# Altium PCB Sensor.PcbDoc (part 2 of 2)
Units mil, origin at the board's own origin, x right, y up, seen from the top; angles counter-clockwise.
Board outline 9449.35 x 6496.59 mil, 4 copper layers (Top Layer, GND, POWER, Bottom Layer), stack 30.634 mil thick; 169 components, 156 nets, 755 pads, 299 vias.
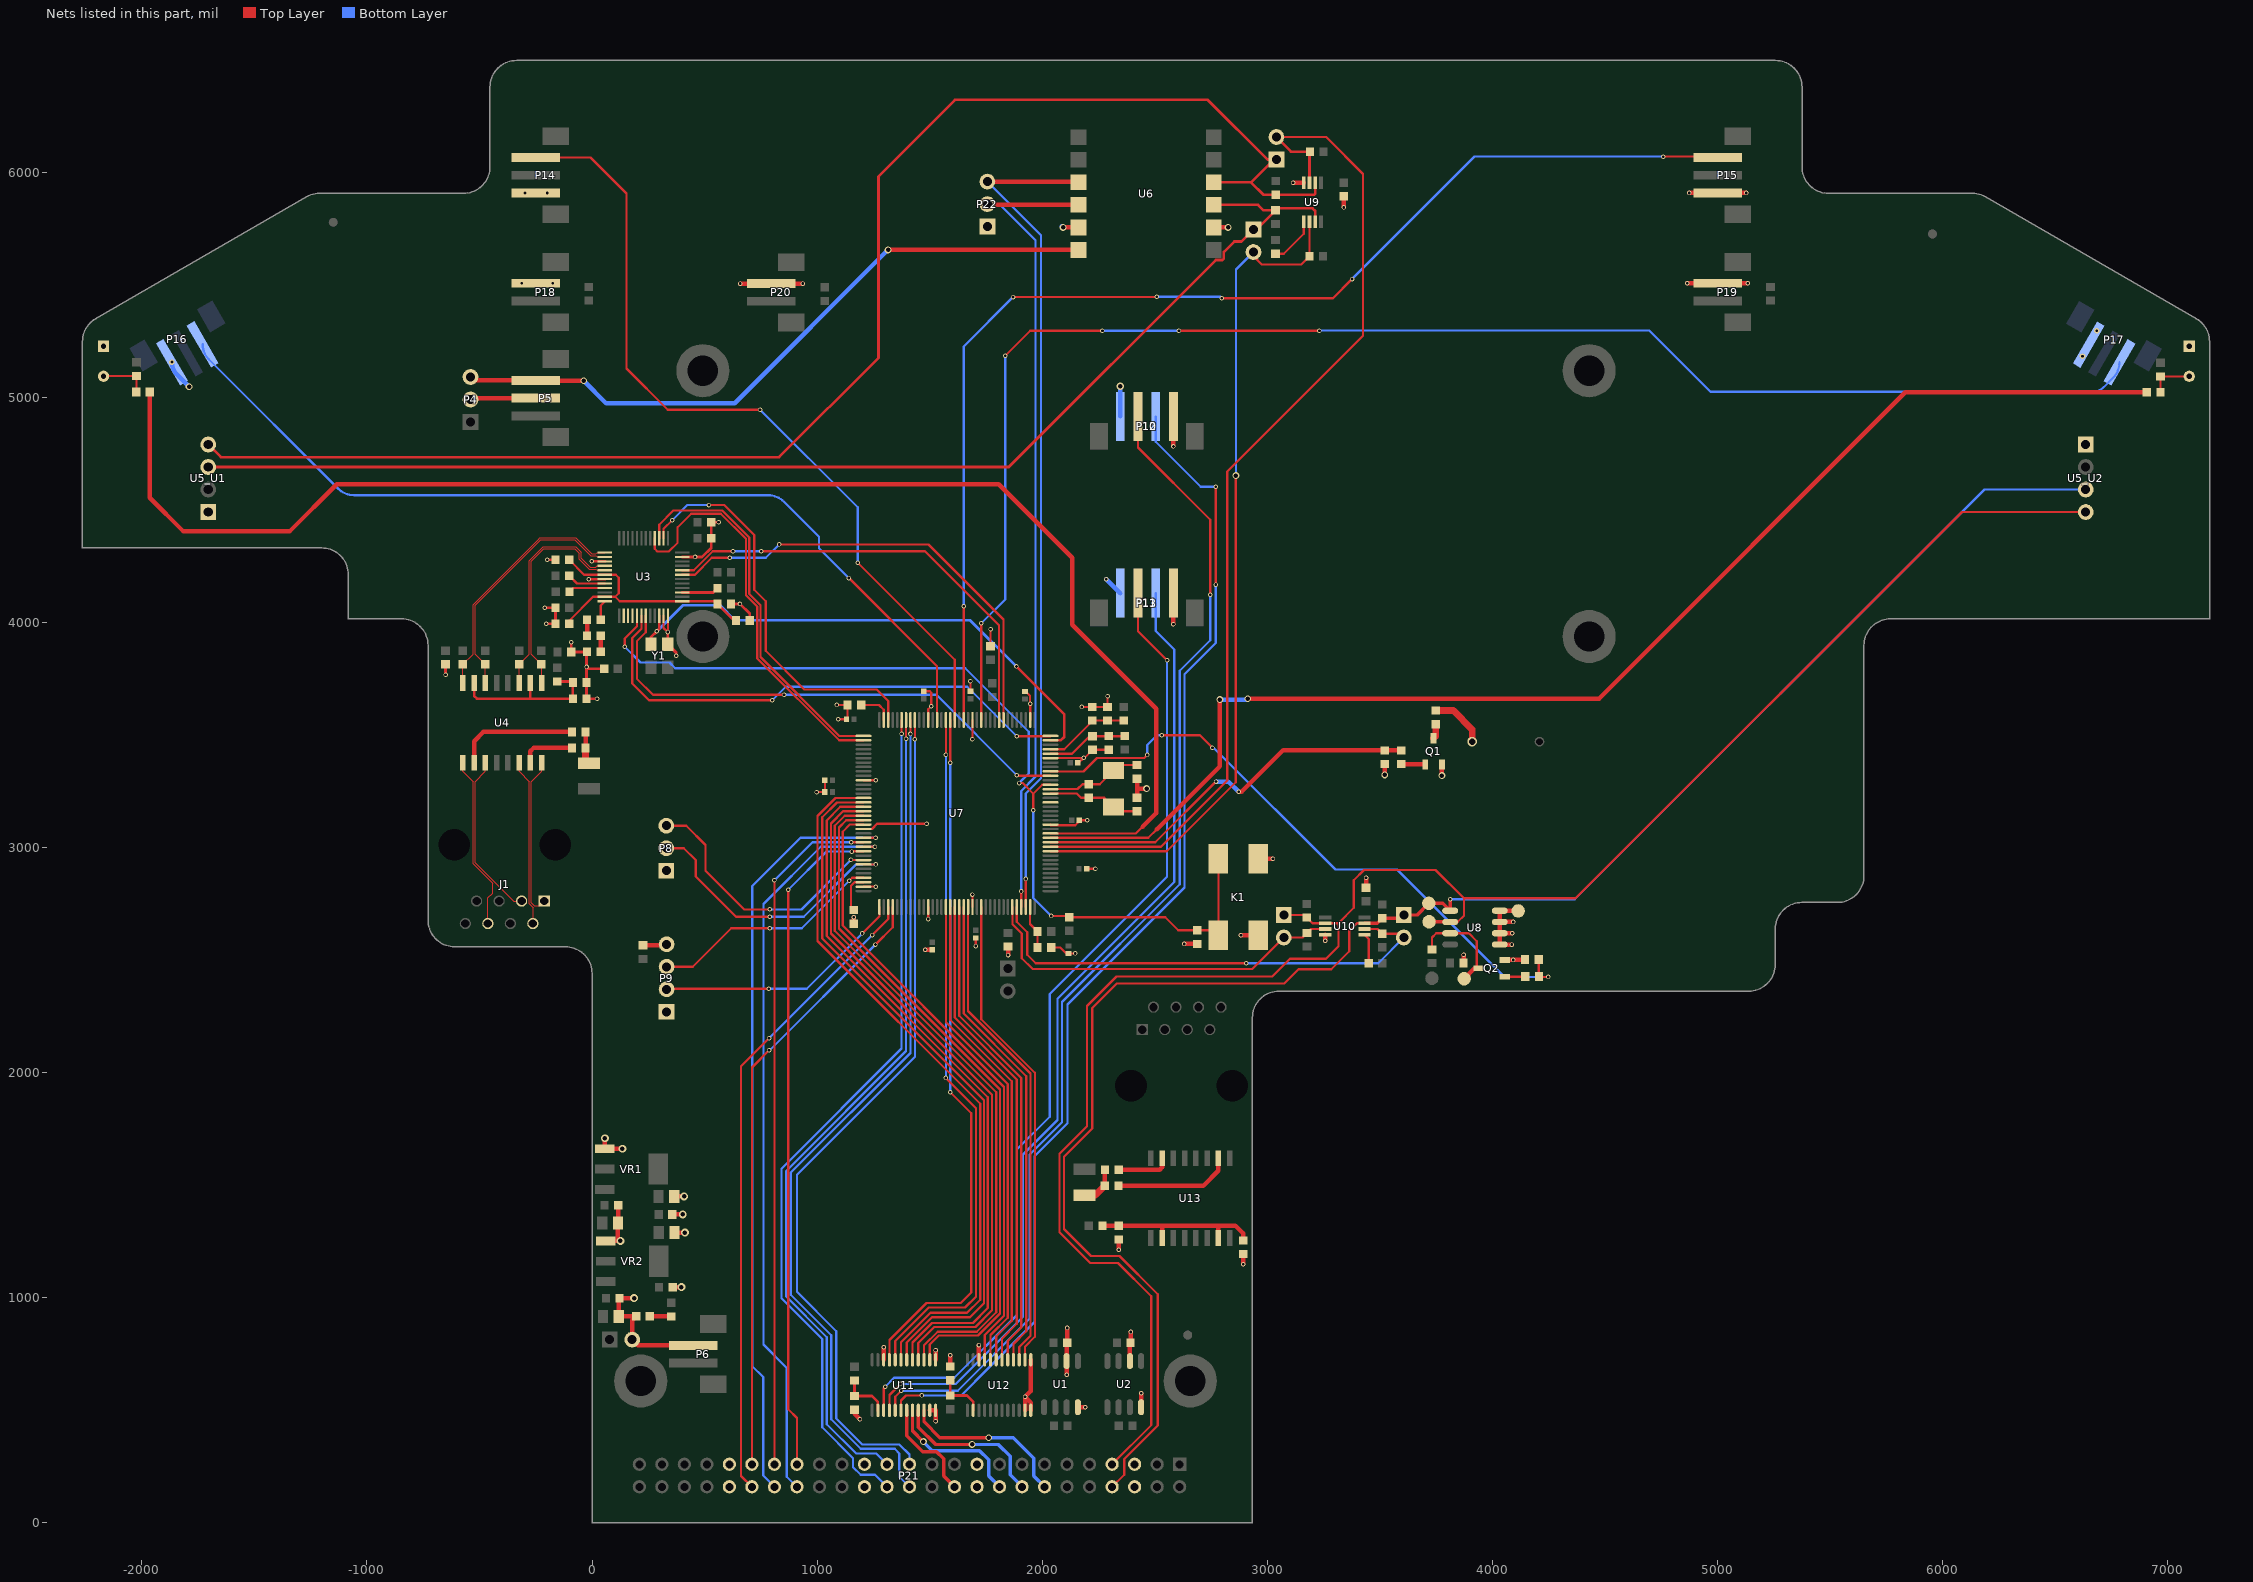
[diagram p4: the nets of this part, all layers, seen from the top]

## Via types
v1: diameter 20, hole 12, Top Layer to Bottom Layer, tented both sides, 228 vias
v2: diameter 35, hole 20, Top Layer to Bottom Layer, tented both sides, 34 vias
v3: diameter 30, hole 20, Top Layer to Bottom Layer, tented both sides, 19 vias
v4: diameter 25, hole 12, Top Layer to Bottom Layer, tented both sides, 18 vias

## Nets (pads, with @x,y where several pads share a name; then routed paths per layer and width w, separated by ;. In a path a pad name is that pad's centre, name@x,y a point inside that pad or via, vN(x,y) a via of type N, cw(c..) or ccw(c..) an arc to the next point about the centre after c; other vN are vias at no path point) (continued)
GND: C1.1 C2.1 C3.1 C4.1 C5.1 C6.1 C7.1 C8.1 C9.1 C10.1 C11.1 C12.2 C13.1 C15.1 C16.1 C17.1 C18.1 C19.1 C20.2 C21.1 C22.1 C23.1 C24.1 C25.2 C26.1 C27.2 C28.1 C29.1 C30.2 C31.1 C32.2 C33.1 C34.2 C35.2 C36.1 C37.1 C38.1 C39.1 C40.1 C41.1 C42.1 C43.1 C44.1 C45.1 C46.1 C47.1 C48.2 C49.1 K1.3 K1.4 P1.2 P4.2 P5.2 P6.2 P8.1 P9.1 P10.4 P11.4 P12.4 P13.4 P14.1 P15.1 P16.1 P17.1 P18.2 P19.2 P20.2 P21.5 P21.6 P21.19 P21.20 P21.29 P21.30 P21.41 P21.42 P22.1 Q1.2 Q2.2 R3.2 R4.2 R20_U1.1 R20_U2.1 R21.1 R26.1 R28.1 R29.1 R32.1 R46.1 R48.1 TP1.0 U1.2 U1.8 U2.2 U2.8 U3.15 U3.19 U3.35 U3.36 U3.47 U5_U1.1 U5_U2.1 U6.5 U6.8 U7.16 U7.31 U7.38 U7.51 U7.61 U7.83 U7.94 U7.107 U7.120 U7.130 U8.1 U8.2 U8.3 U8.4 U9.4 U10.4 U11.11 U11.12 U11.13 U11.22 U12.11 U12.12 U12.13 U12.22 VR1.1 VR2.1 Y1.2 | length 9020.7
  Top Layer w10: U3.35@317.58,4030 317.58,3975.42 v1(336,3957) 337.27,3958.27 U3.36@337.27,4030 ; v1(997,3246) C40.1@1034.27,3246 C39.1@1034.27,3299 ; v1(1087,3633) C32.2@1134.69,3633 1134.69,3574.42 C41.1@1130.27,3570 v1(1094,3570) ; U7.107@1205.65,2826.2 v1(1259.8,2826.2) ; U7.94@1205.65,3082.1 1243.1,3082.1 1266,3105 v1(1486,3105) ; U7.83@1205.65,3298.64 v1(1259.64,3298.64) ; C42.1@1473,3693.73 1500.27,3693.73 1507,3687 v1(1507,3628) 1493.05,3614.05 U7.61@1493.05,3566.35 ; v1(1493.05,2681.95) U7.120@1493.05,2735.65 ; C43.1@1681,3693.73 v1(1681,3738) ; U7.130@1689.9,2735.65 v1(1689.9,2790.9) ; v1(1689.9,3481.1) U7.51@1689.9,3566.35 ; v1(1704,2562) C37.1@1704,2598.27 ; R3.2@1770,3894.32 v1(1770,3969) ; C44.1@1923,3692.73 1926.87,3692.73 1944.8,3674.81 1944.8,3640.2 v1(1947,3638) 1947,3567.55 U7.38@1945.8,3566.35 ; U7.16@2036.35,3101.79 2036.35,3099.2 2146.81,3099.2 2164.73,3117.13 C45.1@2164.73,3121 v1(2200,3121) ; U7.31@2036.35,3397.06 2036.35,3397.8 v1@2182.8,3397.8 ; R29.1@2039.31,2556 2080.13,2556 2106.86,2529.27 C36.1@2116,2529.27 v1(2145.73,2529.27) ; C47.1@2157.73,3376 2161,3376 v1@2182.8,3397.8 ; v1(2174.69,3624.31) C34.2@2222,3624.31 C33.1@2290,3624.31 v1(2290,3672) ; C46.1@2196.73,2905 v1(2236,2905) ; C30.2@2294.28,3433.69 C31.1@2223,3433.69 2188.32,3399 v1(2184,3399) v1@2182.8,3397.8
  Top Layer w12: v1(-651,3767) C15.1@-651,3813.69 ; v1(-210,4065) C6.1@-162.31,4065 C7.1@-162.31,3994 v1(-203,3994) ; v1(-199,4278) C9.1@-162.31,4278 ; v1(-92.68,3911.69) C11.1@-92.68,3868 R4.2@-24.32,3868 ; R4.2@-22.32,3870 R4.2@-24.32,3868 ; v1(-14.16,4192.16) U3.19@57,4192.16 ; v1(-1.1,4270.9) U3.15@57,4270.9 ; v1(22,3661) C13.1@-24.68,3661 C12.2@-24.68,3733 v1(-24.68,3802) ; C3.1@53.69,3794 -16.68,3794 v1(-24.68,3802) ; v1(336,3957) Y1.2@336,3903 374,3865 v1(374,3852) ; U3.47@401,4290.58 v1(457.58,4290.58) 488.58,4290.58 529.32,4331.31 C4.1@529.32,4374 C5.1@529.32,4445 v1(562,4445) ; C10.1@617.32,4082 v1(657,4082) 700.32,4038.69 C8.1@700.32,4008 ; v1(-24.68,3802) -24.68,3867.63 R4.2@-24.32,3868
  Top Layer w20: P4.2@-540,4990 -533.74,4996.26 P5.2@-250,4996.26 ; v2(56.89,1708.11) VR1.1@56.89,1661.55 v2(134.45,1661.55) ; VR2.1@60.89,1252.55 v2(125.55,1252.55) 115.04,1263.06 C22.1@115.04,1331 116.32,1332.28 C21.1@116.32,1411 ; v2(187,998) C16.1@122.32,998 119.04,994.72 C17.1@119.04,917 R21.1@194.69,917 ; R21.1@195.69,918 R21.1@194.69,917 ; C23.1@356.32,1370 v2(403,1370) ; C18.1@358.32,1047 v2(397,1047) ; C24.1@365.04,1450 v2(409,1450) ; C19.1@366.04,1289 v2(412,1289) ; P6.2@449,788.26 203.74,788.26 P1.2@178,814 178,900.31 R21.1@194.69,917 ; v1(657.74,5505.26) P20.2@796,5505.26 v1(935.74,5505.26) ; C35.2@1163,2661.69 v1(1163,2690.01) ; R46.1@1166,502.69 1166,484 v1(1190,460) ; U11.22@1295.43,724.2 v1(1295.43,780.57) ; v1(1480.27,2545.27) C38.1@1511,2545.27 ; U11.11@1500.16,499.8 U11.12@1525.75,499.8 v1(1525.75,451.75) ; U11.13@1525.75,724.2 v1(1525.75,766.75) ; R48.1@1591,694.31 v1(1591,744) ; U12.22@1718.43,724.2 v1(1718.43,789.57) ; v1(1848,2522) R28.1@1848,2559.69 ; U12.11@1923.16,499.8 v1(1923.16,559.84) ; U12.12@1948.75,499.8 1948.75,534.25 v1(1923.16,559.84) ; U12.13@1948.75,724.2 1948.75,585.43 v1(1923.16,559.84) ; v3(2092.37,5754.63) U6.5@2161.26,5754.63 ; v1(2108,658) U1.2@2108,718.36 C1.1@2108,797.69 ; C1.1@2110.32,800 v1(2110.32,865.69) ; U1.8@2158,513.64 v1(2191.36,513.64) ; v1(2340,1213) C49.1@2340,1258.69 ; U2.2@2389,718.36 C2.1@2389,796.69 ; C2.1@2392.32,800 v1(2392.32,847.69) ; C20.2@2421,3221.31 2421,3262 ; C25.2@2421,3305.69 2421,3262 ; U2.8@2439,513.64 v1(2439,575) ; v3(2463,3262) 2421,3262 ; v1(2582.74,3991.74) P11.4@2582.74,4131 ; v1(2582.74,4781.26) P10.4@2582.74,4915 ; v1(2630.32,2571.69) C26.1@2688,2571.69 ; U6.8@2761.26,5754.63 v3(2825.37,5754.63) ; v1(2882.28,2609.72) K1.3@2959.58,2609.72 ; v1(2892,1148) C48.2@2892,1193.69 ; K1.4@2959.58,2950.28 v1(3024.72,2950.28) ; v1(3114,5953) U9.4@3161.61,5953 ; v1(3257,2586) U10.4@3257,2612.61 ; v1(3339,5843) C28.1@3339,5892.69 ; C29.1@3438,2821.31 v1(3438,2866) ; v3(3521,3322) R26.1@3521,3370.69 ; v3(3775.4,3319.4) Q1.2@3775.4,3368.93 ; C27.2@3871.32,2487 v1(3871.32,2523.31) ; Q2.2@4054.07,2500.4 v1(4092.6,2500.4) 4094.2,2502 R32.1@4144.69,2502 ; v1(4086,2569) U8.1@4032.24,2569 U8.2@4032.24,2619 ; v1(4087,2619) U8.2@4032.24,2619 ; v1(4092,2669) U8.3@4032.24,2669 ; TP1.0@4114,2718 4113,2719 U8.4@4032.24,2719 U8.3@4032.24,2669 ; v1(4864.74,5506.26) P19.2@5000,5506.26 v1(5133.26,5506.26) ; v1(4874.48,5907.52) P15.1@5000,5907.52 v1(5126.48,5907.52) ; U8.2@4032.24,2619 U8.3@4032.24,2669
  Bottom Layer w10: v1(1947,3638) v1@1947,3640
  Bottom Layer w12: v1(336,3957) v1@338,3959 ; v1(657,4082) v1@659,4084
  Bottom Layer w20: v4(-1866.38,5156.26) ccw(c-1787.01,5156.26) -1843.13,5100.13 v3(-1790,5047) ; v2(397,1047) v2@400,1050 ; v3@2087,5760 v3(2092.37,5754.63) ; v1(2284.26,4192) P13.4@2346.26,4130 ; P12.4@2346.26,4915 v2(2346.26,5048.74) ; v3(2463,3262) v3@2466,3259 ; v3(2825.37,5754.63) v3@2827,5753
  other v4: 6621,5182 6684,5295 -313,5507 -175,5507 -298,5907 -199,5907
GPS_DATA: P4.3 P5.3 U6.6 | length 3031.2
  Top Layer w20: P4.3@-540,5090 -525,5075 P5.3@-250,5075 -248,5073 v3(-37,5073) ; v3(1314.63,5654.63) U6.6@2161.26,5654.63
  Bottom Layer w20: v3(-37,5073) 62,4974 634,4974 v3(1314.63,5654.63)
INF1: P14.3 U7.55 | length 3652.1
  Top Layer w10: P14.3@-250,6065 -7,6065 153,5905 153,5128 336,4945 v1(746,4945) ; v1(1180,4265) 1611.16,3833.84 U7.55@1611.16,3566.35
  Bottom Layer w10: v1(746,4945) 1180,4511 v1(1180,4265)
INF2: P16.3 U7.59 | length 4133.8
  Top Layer w10: v1(1140,4197) 1141,4197 1532.42,3805.58 U7.59@1532.42,3566.35
  Bottom Layer w10: P16.3@-1730,5235 ccw(c-1635.85,5235) -1702.42,5168.42 -1128.29,4594.29 ccw(c-1057.58,4665) -1057.58,4565 781.58,4565 cw(c781.58,4465) 852.29,4535.71 1008,4380 1008,4329 v1(1140,4197)
INF3: P15.3 U7.53 | length 5365.5
  Top Layer w10: U7.53@1650.53,3566.35 v1(1650.53,4071.47) ; v1(1870,5445) 2507,5445 v1(2509,5447) ; v1(2797,5440) 3291,5440 v1(3376,5525) ; v1(4759,6069) 4996,6069 P15.3@5000,6065
  Bottom Layer w10: v1(1650.53,4071.47) 1650.53,5225.53 v1(1870,5445) ; v1(2509,5447) 2790,5447 v1(2797,5440) ; v1(3376,5525) 3920,6069 v1(4759,6069)
INF4: P17.3 U7.49 | length 6840.3
  Top Layer w10: U7.49@1729.27,3566.35 v1(1729.27,3996.27) ; v1(1835,5184) 1946,5295 v1(2267,5295) ; v1(2607,5295) 3230,5295 v1(3231,5296)
  Bottom Layer w10: v1(1729.27,3996.27) 1835,4102 v1(1835,5184) ; v1(2267,5295) v1(2607,5295) ; v1(3231,5296) 4697,5296 4968,5025 6666.72,5025 ccw(c6666.72,5093.28) 6715,5045 6756.72,5086.72 ccw(c6688.43,5155) P17.3@6785,5155
INF5: P21.25 U7.64 | length 3827.2
  Top Layer w10: v1(1434,3481) U7.64@1433.99,3566.35
  Bottom Layer w10: P21.25@1410,260 1410,303 1365,348 1200,348 1085,463 1085,851 910,1026 910,1546 1434,2070 v1(1434,3481)
INF6: P21.26 U7.65 | length 3932.6
  Top Layer w10: v1(1414.31,3504.31) U7.65@1414.31,3566.35
  Bottom Layer w10: P21.26@1410,160 1365,205 1365,308 1344,329 1194,329 1063,460 1063,833 883,1013 883,1556 1414.31,2087.31 v1(1414.31,3504.31)
INF7: P21.27 U7.66 | length 3765.5
  Top Layer w10: v1(1394.62,3482.38) U7.66@1394.62,3566.35
  Bottom Layer w10: P21.27@1310,260 1262,308 1173,308 1043,438 1043,824 861,1006 861,1562 1394.62,2095.62 v1(1394.62,3482.38)
INF8: P21.28 U7.67 | length 3859.3
  Top Layer w10: v1(1374.94,3505.06) U7.67@1374.94,3566.35
  Bottom Layer w10: P21.28@1310,160 1257,213 1193,213 1159,247 1159,287 1022,424 1022,817 841,998 841,1573 1374.94,2106.94 v1(1374.94,3505.06)
LED1: P21.35 U7.99 | length 2973.9
  Top Layer w10: v1(871,2812) 871,505 910,466 P21.35@910,260 ; v1(1153,2982) 1154.68,2983.68 U7.99@1205.65,2983.68
  Bottom Layer w10: v1(871,2812) 1041,2982 v1(1153,2982)
LED2: P21.36 U7.98 | length 3302.2
  Top Layer w10: U7.98@1205.65,3003.36 v1(1256.36,3003.36)
  Bottom Layer w10: P21.36@910,160 865,205 865,688 761,792 761,2749 1015.36,3003.36 v1(1256.36,3003.36)
LED3: P21.37 U7.97 | length 3059.7
  Top Layer w10: P21.37@810,260 v1(810,2854) ; v1(1151.05,3023.05) U7.97@1205.65,3023.05
  Bottom Layer w10: v1(810,2854) 979.05,3023.05 v1(1151.05,3023.05)
LED4: P21.38 U7.96 | length 3399
  Top Layer w10: U7.96@1205.65,3042.73 v1(1259.27,3042.73)
  Bottom Layer w10: P21.38@810,160 760,210 760,648 712,696 712,2829 925.73,3042.73 v1(1259.27,3042.73)
LED_LINK: U3.28
LED_SPEED: U3.27
LEDACT_LINK: U3.26
MDC: U3.31 U7.27 | length 2312.7
  Top Layer w10: U3.31@238.84,4030 238.84,3955.84 199,3916 199,3750 271,3678 v1(853,3678) ; v1(1887,3321) 1889.68,3318.32 U7.27@2036.35,3318.32
  Bottom Layer w10: v1(853,3678) 1530,3678 v1(1887,3321)
MDIO: U3.30 U7.36 | length 2323.2
  Top Layer w10: U3.30@219.16,4030 219.16,3971.16 179,3931 179,3728 253,3654 v1(800,3654) ; v1(1887,3494) 2034.87,3494 U7.36@2036.35,3495.49
  Bottom Layer w10: v1(800,3654) 860,3714 1667,3714 v1(1887,3494)
NetC12_1: C12.1 C13.2 R6.1 U4.2 U4.7 | length 715.3
  Top Layer w12: U4.7@-524,3731 -524,3673 -512,3661 -274,3661 ; U4.2@-274,3731 -274,3661 ; R6.1@-155,3737.69 -90,3737.69 C12.1@-85.31,3733 C13.2@-85.31,3661 -274,3661
NetC14_2: C14.2 R12.2 R14.2 | length 144.4
  Top Layer w20: R12.2@-28.68,3442 R14.2@-28.68,3513
  Top Layer w30: R12.2@-28.68,3442 -28.68,3390.77 C14.2@-13,3375.09
NetC20_1: C20.1 R23.2 U7.23 Y2.1 | length 417.3
  Top Layer w10: U7.23@2036.35,3239.58 2153.42,3239.58 2172.32,3220.68 R23.2@2206,3220.68 2275.61,3220.68 Y2.1@2316,3180.29 2335.61,3160.69 C20.1@2421,3160.69
NetC25_1: C25.1 R23.1 U7.24 Y2.2 | length 429
  Top Layer w10: U7.24@2036.35,3259.27 2156.27,3259.27 2178.31,3281.31 R23.1@2206,3281.31 2255.61,3281.31 Y2.2@2316,3341.71 2340.61,3366.31 C25.1@2421,3366.31
NetC32_1: C32.1 U7.71 | length 155.1
  Top Layer w10: C32.1@1195.32,3633 1275,3633 1296.2,3611.8 U7.71@1296.2,3566.35
NetC35_1: C35.1 U7.106 | length 175.3
  Top Layer w10: C35.1@1163,2722.31 1150,2735.31 1150,2830 1165.88,2845.88 U7.106@1205.65,2845.88
NetC48_1: C48.1 C49.2 R52.1 U13.2 U13.7 | length 782.8
  Top Layer w20: R52.1@2267.31,1319 2339.69,1319 C49.2@2340,1319.32 2536,1319.32 ; U13.2@2532,1265 2532,1315.32 2536,1319.32 ; U13.7@2782,1265 2782,1313 2775.69,1319.32 ; C48.1@2892,1254.32 2892,1285.32 2858,1319.32 2775.69,1319.32 ; 2536,1319.32 2775.69,1319.32
NetC50_2: C50.2 R53.2 R54.2 | length 178.5
  Top Layer w20: R54.2@2277.68,1498 2277.68,1568 R53.2@2278.68,1569
  Top Layer w30: C50.2@2188,1455.91 2235.6,1455.91 R54.2@2277.68,1498
NetD1_K: D1.K R21.2 | length 96.2
  Top Layer w20: R21.2@256.32,918 350.69,918 D1.K@352,916.69
NetLS1_2: LS1.2 R22.2 | length 250.7
  Top Layer w30: R22.2@3748,3608.32 3825.68,3608.32 3909.39,3524.61 LS1.2@3909.39,3470
NetP9_4: P9.4 R43.1 | length 106.9
  Top Layer w20: R43.1@226,2565.31 326.31,2565.31 P9.4@331,2570
NetQ1_1: Q1.1 R25.1 | length 107.3
  Top Layer w20: R25.1@3594,3370.69 3595.76,3368.93 Q1.1@3700.6,3368.93
NetQ1_3: Q1.3 R22.1 | length 66.8
  Top Layer w30: Q1.3@3738,3485.07 3748,3495.07 R22.1@3748,3547.69
NetQ2_1: Q2.1 R31.1 | length 92.2
  Top Layer w10: Q2.1@4054.07,2425.6 4144.28,2425.6 R31.1@4145.69,2427
NetQ2_3: Q2.3 R30.1 TP3.0 U8.7 | length 481.3
  Top Layer w10: R30.1@3731,2547.31 3731,2600 3750,2619 U8.7@3811.76,2619 3895,2619 3930,2584 3930,2470.93 Q2.3@3937.93,2463
  Top Layer w20: TP3.0@3874,2417 3920,2463 Q2.3@3937.93,2463
NetR4_1: R4.1 R5.1 | length 71
  Top Layer w20: R4.1@38.31,3870 R5.1@38.31,3941
NetR5_2: R5.2 R7.2 | length 71
  Top Layer w20: R5.2@-22.32,3941 R7.2@-22.32,4012
NetR7_1: R7.1 U3.24 | length 89.5
  Top Layer w10: R7.1@38.31,4012 38.31,4075.05 U3.24@57,4093.73
NetR8_1: R8.1 U3.39 | length 163.5
  Top Layer w12: U3.39@401,4133.1 537.79,4133.1 R8.1@556.68,4152
NetR10_2: R10.2 U3.21 | length 164.6
  Top Layer w10: R10.2@-100.68,4136 -83.9,4152.79 U3.21@57,4152.79
NetR11_2: R11.2 U3.20 | length 173
  Top Layer w10: R11.2@-101.68,4207 -67.16,4172.47 U3.20@57,4172.47
NetR12_1: R12.1 U4.15 | length 242.5
  Top Layer w20: U4.15@-274,3376 -274,3428 -260,3442 R12.1@-89.31,3442
NetR14_1: R14.1 U4.10 | length 547.7
  Top Layer w20: U4.10@-524,3376 -524,3472 -483,3513 R14.1@-89.31,3513
NetR18_U1_1: R18_U1.1 R19_U1.2 R20_U1.2 | length 218.9
  Top Layer w10: R20_U1.2@-2170,5093.07 -2168.39,5094.69 R18_U1.1@-2024,5094.69 -2024,5024.32 R19_U1.2@-2025.32,5023
NetR18_U2_1: R18_U2.1 R19_U2.2 R20_U2.2 | length 199
  Top Layer w10: R19_U2.2@6967.32,5022 6967.32,5092.37 R18_U2.1@6967,5092.69 7094.61,5092.69 R20_U2.2@7095,5093.07
NetR19_U1_1: R19_U1.1 U7.14 | length 6647.1
  Top Layer w10: U7.14@2036.35,3062.42 2415.42,3062.42 2446,3093
  Top Layer w20: R19_U1.1@-1964.69,5023 -1964.69,4553.69 -1815,4404 -1344,4404 -1134,4614 1806,4614 2133,4287 2133,3990 2506,3617 2506,3153 2446,3093
NetR19_U2_1: R19_U2.1 U7.13 | length 5868.8
  Top Layer w10: U7.13@2036.35,3042.73 2470.73,3042.73 2508,3080
  Top Layer w20: 2508,3080 2789,3361 v3(2789,3657) ; v3(2913,3661) 4473,3661 5834,5022 R19_U2.1@6906.69,5022
  Bottom Layer w20: v3@2786,3661 2789,3658 v3(2789,3657) 2909,3657 v3(2913,3661)
NetR27_1: R27.1 R29.2 U7.143 | length 193.3
  Top Layer w10: U7.143@1945.8,2735.65 1945.8,2659.88 R27.1@1978.69,2627 R29.2@1978.68,2556
NetR35_1: R35.1 U9.5 | length 214.8
  Top Layer w10: R35.1@3036,5637.69 3072.69,5637.69 3161.61,5726.61 U9.5@3161.61,5779
NetR40_1: R40.1 U10.5 | length 134.4
  Top Layer w10: U10.5@3431,2612.61 3449.69,2593.93 R40.1@3449.69,2486
NetR45_1: R45.1 R46.2 U11.2 | length 222
  Top Layer w12: R45.1@1166,632.69 R46.2@1166,563.32 1243.68,563.32 1268.84,538.16 U11.2@1268.84,498.8
NetR47_1: R47.1 R48.2 U12.2 | length 219.8
  Top Layer w12: R48.2@1591,633.68 R47.1@1591,565.31 1665.69,565.31 1692.84,538.16 U12.2@1692.84,499.8
NetR53_1: R53.1 U13.15 | length 237.2
  Top Layer w20: R53.1@2339.31,1569 2521,1569 2532,1580 U13.15@2532,1620
NetR54_1: R54.1 U13.10 | length 527
  Top Layer w20: R54.1@2338.31,1498 2716,1498 2782,1564 U13.10@2782,1620
NetU7_21: U7.21
NRST: C26.2 K1.1 K1.2 R24.1 U3.29 U7.25 | length 4228.1
  Top Layer w10: v1(145.31,3891.31) 145.31,3928.31 199.47,3982.47 U3.29@199.47,4030 ; v1(1897,3286) 1913,3286 1960,3239 ; v1(1960,3165) 1960,3239 ; U7.25@2036.35,3278.95 1999.95,3278.95 1960,3239 ; v1(2040,2696) 2113.31,2696 R24.1@2119,2690.31 2545.69,2690.31 2603.69,2632.31 C26.2@2688,2632.31 2759.83,2632.31 K1.1@2782.42,2609.72 K1.2@2782.42,2950.28
  Bottom Layer w10: v1(145.31,3891.31) 214.63,3822 344,3822 370,3796 1658,3796 1940,3514 1940,3329 v1(1897,3286) ; v1(1960,3165) 1960,2776 v1(2040,2696)
PC2: R31.2 R32.2 U7.28 | length 2876.4
  Top Layer w10: U7.28@2036.35,3338.01 2183.01,3338.01 2242.5,3397.5 2452.5,3397.5 v1(2466,3411) ; v1(2530,3498) 2701,3498 v1(2756,3443) ; R32.2@4214,2510.68 R32.2@4205.32,2502 4205.32,2428 R31.2@4206.32,2427 4208.32,2425 v1(4247,2425)
  Bottom Layer w10: v1(2466,3411) 2466,3455 2509,3498 v1(2530,3498) ; v1(2756,3443) 2761,3443 3302,2902 3576,2902 4053,2425 v1(4247,2425)
PF2: R25.2 R26.2 U7.12 | length 1764.9
  Top Layer w10: U7.12@2036.35,3023.05 2502.05,3023.05 v1(2772,3293)
  Top Layer w20: v1(2872,3247) 2885,3247 3069.32,3431.32 R26.2@3521,3431.32 R25.2@3594,3431.32
  Bottom Layer w20: v1(2772,3293) 2826,3293 v1(2872,3247)
PFB: C7.2 C8.2 C9.2 C10.2 U3.18 U3.23 U3.37 | length 1187.2
  Top Layer w10: C7.2@-101.68,3994 -101.68,4007.31 4.42,4113.42 U3.23@57,4113.42 103.42,4113.42 ; C9.2@-101.68,4278 -35.53,4211.84 U3.18@57,4211.84 105.16,4211.84 119,4198 119,4129 103.42,4113.42 ; C8.2@639.69,4008 630.69,4008 C10.2@556.69,4082 544.95,4093.73 U3.37@401,4093.73 123.1,4093.73 103.42,4113.42
PG0: U7.56 U11.21 | length 3119.9
  Top Layer w10: U11.21@1321.02,724.2 1321.02,812.02 1486,977 1638,977 1684,1023 1684,1819.94 v1(1591.47,1912.47) ; v1(1591.47,3376.53) U7.56@1591.47,3566.35
  Bottom Layer w10: v1(1591.47,1912.47) 1591.47,3132.47 v1(1591.47,3376.53)
PG1: U7.57 U11.20 | length 3141.3
  Top Layer w10: U11.20@1346.61,724.2 1346.61,807.61 1495,956 1657,956 1705,1004 1705,1842 v1(1571,1976) ; v1(1571.79,3411.79) U7.57@1571.79,3566.35
  Bottom Layer w10: v1(1571,1976) 1571.79,1976.79 1571.79,3164.79 v1(1571.79,3411.79)
PG2: U7.87 U11.19 | length 3194.2
  Top Layer w10: U7.87@1205.65,3219.9 1080.9,3219.9 1001,3140 1001,2585 1724,1862 1724,991 1666,933 1503,933 1372.2,802.2 U11.19@1372.2,724.2
PG3: U7.88 U11.18 | length 3159.8
  Top Layer w10: U7.88@1205.65,3200.21 1088.21,3200.21 1022,3134 1022,2596 1741,1877 1741,975 1679,913 1510,913 1397.8,800.8 U11.18@1397.8,724.2
PG4: U7.89 U11.17 | length 3126.3
  Top Layer w10: U7.89@1205.65,3180.53 1102.53,3180.53 1042,3120 1042,2607 1758,1891 1758,954 1692,888 1510,888 1423.39,801.39 U11.17@1423.39,724.2
PG5: U7.90 U11.16 | length 3089.4
  Top Layer w10: U7.90@1205.65,3160.84 1114.84,3160.84 1061,3107 1061,2618 1777,1902 1777,944 1703,870 1520,870 1448.98,798.98 U11.16@1448.98,724.2
PG6: U7.91 U11.15 | length 3050.4
  Top Layer w10: U7.91@1205.65,3141.16 1122.16,3141.16 1078,3097 1078,2630 1795,1913 1795,935 1709,849 1535,849 1474.57,788.57 U11.15@1474.57,724.2
PG7: U7.92 U11.14 | length 3014.2
  Top Layer w10: U7.92@1205.65,3121.47 1129.47,3121.47 1097,3089 1097,2640 1812,1925 1812,930 1714,832 1540,832 1500.16,792.16 U11.14@1500.16,724.2
PG8: U7.93 U12.21 | length 2784.2
  Top Layer w10: U7.93@1205.65,3101.79 1144.79,3101.79 1113,3070 1113,2653 1830,1936 1830,920 1744.02,834.02 U12.21@1744.02,724.2
PG9: U7.124 U12.20 | length 2156.7
  Top Layer w10: U7.124@1571.79,2735.65 1571.79,2223.21 1846,1949 1846,911 1769.61,834.61 U12.20@1769.61,724.2
PG10: U7.125 U12.19 | length 2153.9
  Top Layer w10: U7.125@1591.47,2735.65 1591.47,2234.53 1864,1962 1864,898 1795.2,829.2 U12.19@1795.2,724.2 U12.19@1796,725
PG11: U7.126 U12.18 | length 2153.1
  Top Layer w10: U7.126@1611.16,2735.65 1611.16,2244.84 1887,1969 1887,884 1820.8,817.8 U12.18@1820.8,724.2
PG12: U7.127 U12.17 | length 2150.9
  Top Layer w10: U7.127@1630.84,2735.65 1630.84,2252.16 1907,1976 1907,868 1846.39,807.39 U12.17@1846.39,724.2
PG13: U7.128 U12.16 | length 2150.4
  Top Layer w10: U7.128@1650.53,2735.65 1650.53,2262.47 1929,1984 1929,851 1871.98,793.98 U12.16@1871.98,724.2
PG14: U7.129 U12.15 | length 2147.4
  Top Layer w10: U7.129@1670.21,2735.65 1670.21,2273.79 1948,1996 1948,831 1897.57,780.57 U12.15@1897.57,724.2
PG15: U7.132 U12.14 | length 2128.1
  Top Layer w10: U7.132@1729.27,2735.65 1729.27,2236.73 1967,1999 1967,826 1923.16,782.16 U12.14@1923.16,724.2
RD_N: R17.1 U3.13 U4.8 | length 1107.1
  Top Layer w4.96: U4.8@-574,3731 R17.1@-574,3813.69 -528.48,3859.21 -528.48,4079.19 -237.67,4370 -231.67,4376 -73.09,4376 -2,4304.91 17.16,4304.91 22.52,4310.27 U3.13@57,4310.27
RD_P: R16.2 U3.14 U4.6 | length 1092.3
  Top Layer w4.96: U4.6@-474,3731 R16.2@-474,3813.68 -519.52,3859.2 -519.52,4075.48 -227.96,4367.04 -76.81,4367.04 -5.71,4295.95 17.16,4295.95 22.52,4290.58 U3.14@57,4290.58
REF_CLK: U3.34 U7.35 Y1.3 | length 2368.5
  Top Layer w12: Y1.3@262,3903 262,3935 v1(287.5,3960.5) 297.9,3970.9 U3.34@297.9,4030 ; v1(1885,3804) 2098,3591 2098,3492 2081.8,3475.8 U7.35@2036.35,3475.8
  Bottom Layer w12: v1(287.5,3960.5) 403,4076 568,4076 635,4009 1680,4009 v1(1885,3804)
RXD0: U3.43 U7.44 | length 2066.4